# Altium PCB PCB3.PcbDoc (part 1 of 4) (continued)
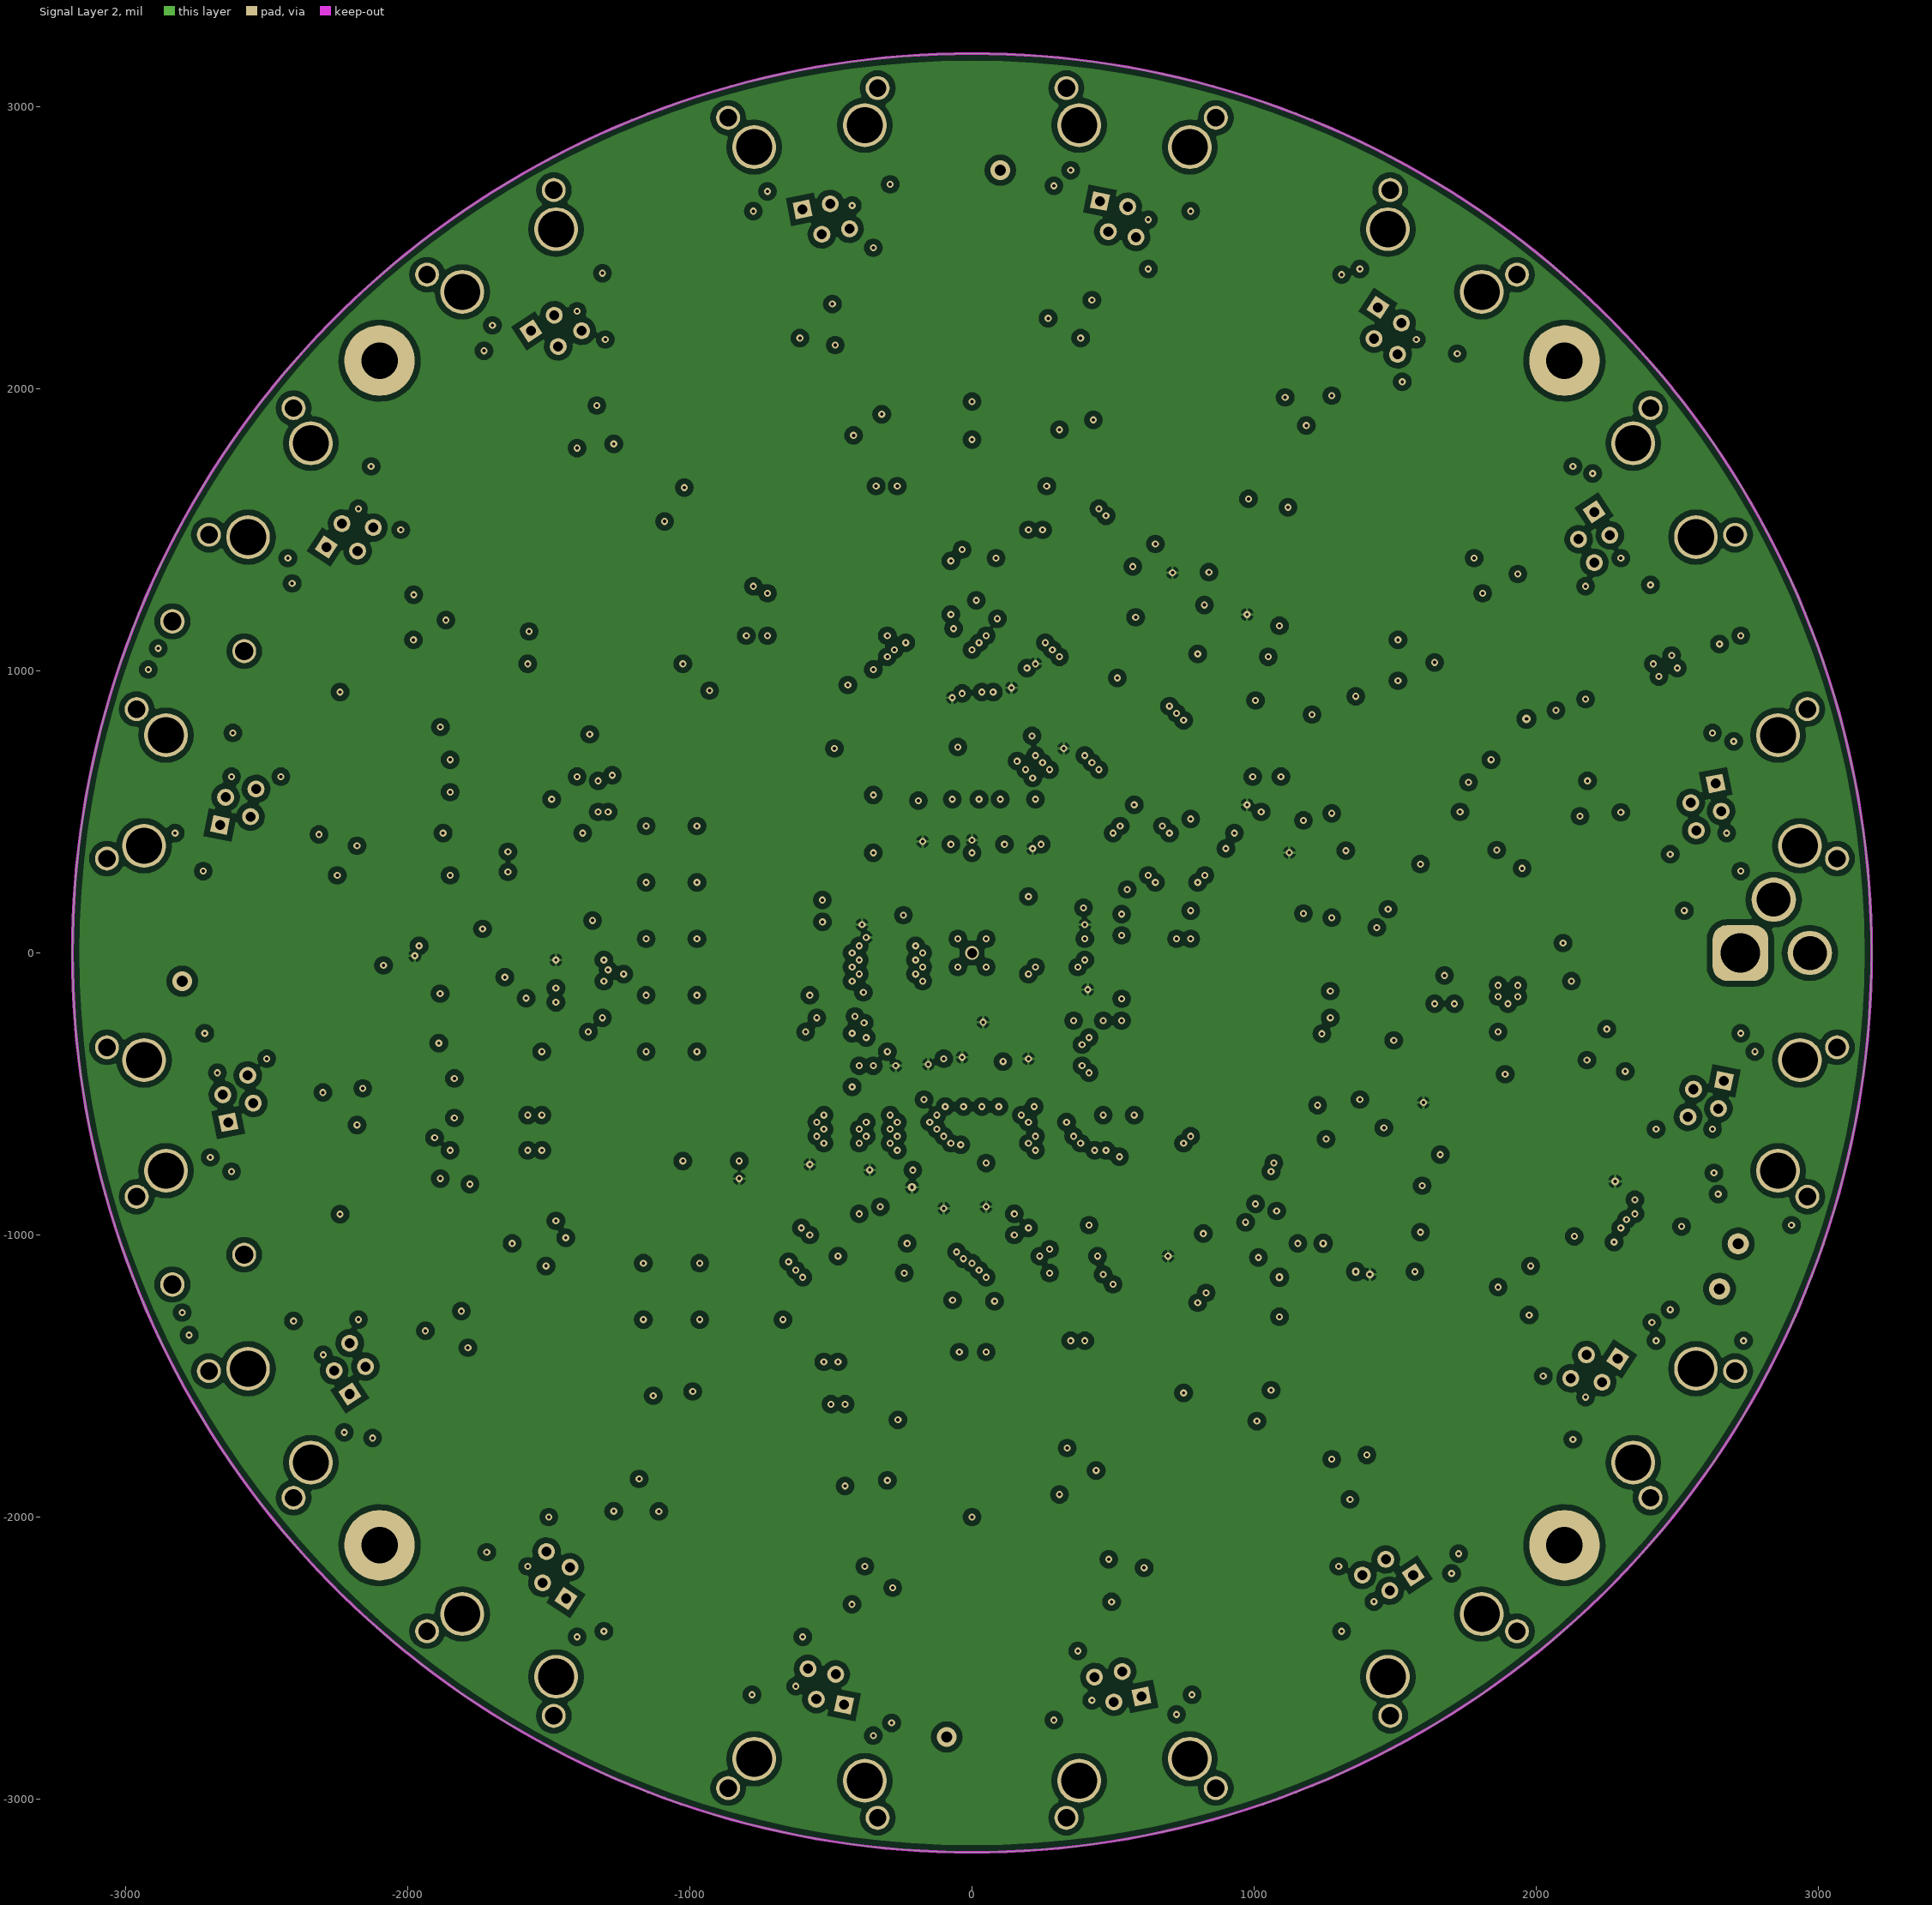
[diagram p3: Signal Layer 2]
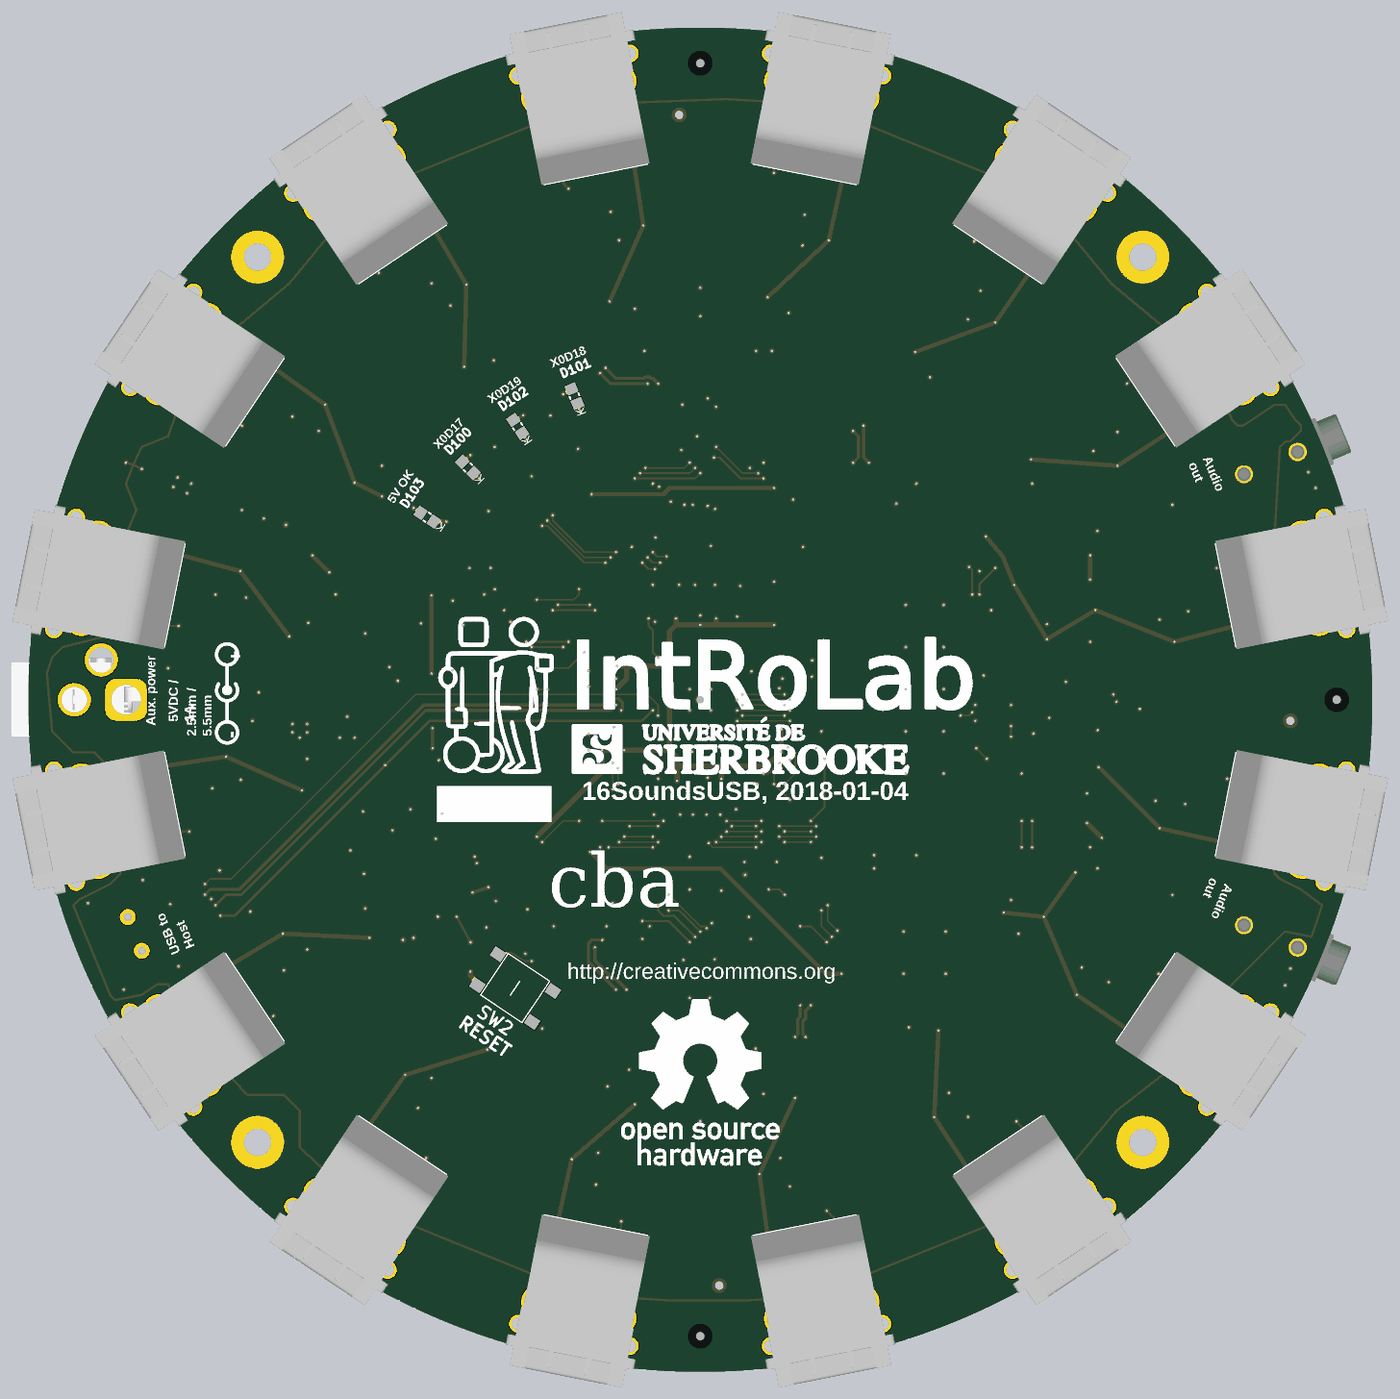
[diagram p7: 3D render of the assembled board from below, using the file's embedded part models]

## Layer stack, top to bottom
Top Solder: solder mask 0.4, Solder Resist, Dk 3.5
Top Layer: signal copper 1.4
Dielectric 1: core 6.8898, FR-4, Dk 4.2
GND Plane: signal copper 1.4169
Dielectric 3: prepreg 44.4882, Dk 4.2
Signal Layer 2: signal copper 1.4169
Dielectric 2: core 6.8898, Dk 4.2
Bottom Layer: signal copper 1.4
Bottom Solder: solder mask 0.4, Solder Resist, Dk 3.5

## Board outline
0,-3188.98 cw(c0,0) -3188.98,0 cw(c0,0) 0,3188.97 cw(c0,0) 3188.98,0 cw(c0,0)

## Design rules (kind name [scope] priority, off if disabled: settings)
Clearance Clearance_1 [All vs InPoly] p1: gap=20
Clearance [All] p2: gap=7
DiffPairsRouting [All] p1: maxlimit=25 minlimit=8 mostfreqgap=10 toplayer_minwidth=8 toplayer_maxwidth=15 toplayer_prefwidth=15 midlayer1_mingap=10 midlayer1_maxgap=10 midlayer1_minwidth=15 midlayer1_maxwidth=15 midlayer1_prefwidth=15 midlayer2_mingap=10 midlayer2_maxgap=10 midlayer2_minwidth=15 midlayer2_maxwidth=15 midlayer2_prefwidth=15 bottomlayer_minwidth=8 bottomlayer_maxwidth=15 bottomlayer_prefwidth=15 maxuncoupledlength=500
HoleSize [All] p1: absolutevalues=TRUE maxlimit=200 minlimit=1 maxpercent=80.000 minpercent=20.000
PolygonConnect [All] p1: connectstyle=Relief reliefconductorwidth=10 reliefentries=4 polygonreliefangle="90 Angle" airgapwidth=10
RoomDefinition XMOS_power [InComponentClass('XMOS_power')] p1: confinementstyle=ConfineIn formatcopy=TRUE lockcomponents=FALSE outline -7703.94,-18478.15 -5703.94,-18478.15 -5703.94,-17478.15 -7703.94,-17478.15
RoomDefinition XMOS1 [InComponentClass('XMOS1')] p2: confinementstyle=ConfineIn formatcopy=TRUE lockcomponents=FALSE outline -7703.94,-18478.15 -5703.94,-18478.15 -5703.94,-17478.15 -7703.94,-17478.15
RoomDefinition TopLevel [InComponentClass('TopLevel')] p3: confinementstyle=ConfineIn formatcopy=TRUE lockcomponents=FALSE outline -7703.94,-18478.15 -5703.94,-18478.15 -5703.94,-17478.15 -7703.94,-17478.15
RoomDefinition Power1 [InComponentClass('Power1')] p4: confinementstyle=ConfineIn formatcopy=TRUE lockcomponents=FALSE outline -7703.94,-18478.15 -5703.94,-18478.15 -5703.94,-17478.15 -7703.94,-17478.15
RoomDefinition OutputConnectors [InComponentClass('OutputConnectors')] p5: confinementstyle=ConfineIn formatcopy=TRUE lockcomponents=FALSE outline -7703.94,-18478.15 -5703.94,-18478.15 -5703.94,-17478.15 -7703.94,-17478.15
RoomDefinition Other1 [InComponentClass('Other1')] p6: confinementstyle=ConfineIn formatcopy=TRUE lockcomponents=FALSE outline -7703.94,-18478.15 -5703.94,-18478.15 -5703.94,-17478.15 -7703.94,-17478.15
RoomDefinition InputAmplifier82 [InComponentClass('InputAmplifier82')] p7: confinementstyle=ConfineIn formatcopy=TRUE lockcomponents=FALSE outline -7703.94,-18478.15 -5703.94,-18478.15 -5703.94,-17478.15 -7703.94,-17478.15
RoomDefinition InputAmplifier81 [InComponentClass('InputAmplifier81')] p8: confinementstyle=ConfineIn formatcopy=TRUE lockcomponents=FALSE outline -7703.94,-18478.15 -5703.94,-18478.15 -5703.94,-17478.15 -7703.94,-17478.15
RoomDefinition InputAmplifier72 [InComponentClass('InputAmplifier72')] p9: confinementstyle=ConfineIn formatcopy=TRUE lockcomponents=FALSE outline -7703.94,-18478.15 -5703.94,-18478.15 -5703.94,-17478.15 -7703.94,-17478.15
RoomDefinition InputAmplifier71 [InComponentClass('InputAmplifier71')] p10: confinementstyle=ConfineIn formatcopy=TRUE lockcomponents=FALSE outline -7703.94,-18478.15 -5703.94,-18478.15 -5703.94,-17478.15 -7703.94,-17478.15
RoomDefinition InputAmplifier62 [InComponentClass('InputAmplifier62')] p11: confinementstyle=ConfineIn formatcopy=TRUE lockcomponents=FALSE outline -7703.94,-18478.15 -5703.94,-18478.15 -5703.94,-17478.15 -7703.94,-17478.15
RoomDefinition InputAmplifier61 [InComponentClass('InputAmplifier61')] p12: confinementstyle=ConfineIn formatcopy=TRUE lockcomponents=FALSE outline -7703.94,-18478.15 -5703.94,-18478.15 -5703.94,-17478.15 -7703.94,-17478.15
RoomDefinition InputAmplifier52 [InComponentClass('InputAmplifier52')] p13: confinementstyle=ConfineIn formatcopy=TRUE lockcomponents=FALSE outline -7703.94,-18478.15 -5703.94,-18478.15 -5703.94,-17478.15 -7703.94,-17478.15
RoomDefinition InputAmplifier51 [InComponentClass('InputAmplifier51')] p14: confinementstyle=ConfineIn formatcopy=TRUE lockcomponents=FALSE outline -7703.94,-18478.15 -5703.94,-18478.15 -5703.94,-17478.15 -7703.94,-17478.15
RoomDefinition InputAmplifier42 [InComponentClass('InputAmplifier42')] p15: confinementstyle=ConfineIn formatcopy=TRUE lockcomponents=FALSE outline -7703.94,-18478.15 -5703.94,-18478.15 -5703.94,-17478.15 -7703.94,-17478.15
RoomDefinition InputAmplifier41 [InComponentClass('InputAmplifier41')] p16: confinementstyle=ConfineIn formatcopy=TRUE lockcomponents=FALSE outline -7703.94,-18478.15 -5703.94,-18478.15 -5703.94,-17478.15 -7703.94,-17478.15
RoomDefinition InputAmplifier32 [InComponentClass('InputAmplifier32')] p17: confinementstyle=ConfineIn formatcopy=TRUE lockcomponents=FALSE outline -7703.94,-18478.15 -5703.94,-18478.15 -5703.94,-17478.15 -7703.94,-17478.15
RoomDefinition InputAmplifier31 [InComponentClass('InputAmplifier31')] p18: confinementstyle=ConfineIn formatcopy=TRUE lockcomponents=FALSE outline -7703.94,-18478.15 -5703.94,-18478.15 -5703.94,-17478.15 -7703.94,-17478.15
RoomDefinition InputAmplifier22 [InComponentClass('InputAmplifier22')] p19: confinementstyle=ConfineIn formatcopy=TRUE lockcomponents=FALSE outline -7703.94,-18478.15 -5703.94,-18478.15 -5703.94,-17478.15 -7703.94,-17478.15
RoomDefinition InputAmplifier21 [InComponentClass('InputAmplifier21')] p20: confinementstyle=ConfineIn formatcopy=TRUE lockcomponents=FALSE outline -7703.94,-18478.15 -5703.94,-18478.15 -5703.94,-17478.15 -7703.94,-17478.15
RoomDefinition InputAmplifier12 [InComponentClass('InputAmplifier12')] p21: confinementstyle=ConfineIn formatcopy=TRUE lockcomponents=FALSE outline -7703.94,-18478.15 -5703.94,-18478.15 -5703.94,-17478.15 -7703.94,-17478.15
RoomDefinition InputAmplifier11 [InComponentClass('InputAmplifier11')] p22: confinementstyle=ConfineIn formatcopy=TRUE lockcomponents=FALSE outline -7703.94,-18478.15 -5703.94,-18478.15 -5703.94,-17478.15 -7703.94,-17478.15
RoomDefinition DAC [InComponentClass('DAC')] p23: confinementstyle=ConfineIn formatcopy=TRUE lockcomponents=FALSE outline -7703.94,-18478.15 -5703.94,-18478.15 -5703.94,-17478.15 -7703.94,-17478.15
RoomDefinition Clock1 [InComponentClass('Clock1')] p24: confinementstyle=ConfineIn formatcopy=TRUE lockcomponents=FALSE outline -7703.94,-18478.15 -5703.94,-18478.15 -5703.94,-17478.15 -7703.94,-17478.15
RoomDefinition ADC2 [InComponentClass('ADC2')] p25: confinementstyle=ConfineIn formatcopy=TRUE lockcomponents=FALSE outline -7703.94,-18478.15 -5703.94,-18478.15 -5703.94,-17478.15 -7703.94,-17478.15
RoomDefinition ADC1 [InComponentClass('ADC1')] p26: confinementstyle=ConfineIn formatcopy=TRUE lockcomponents=FALSE outline -7703.94,-18478.15 -5703.94,-18478.15 -5703.94,-17478.15 -7703.94,-17478.15
RoutingVias [All] p1: holewidth=10 width=25 viastyle="Through Hole" minholewidth=10 minwidth=25 maxholewidth=100 maxwidth=25
SolderMaskExpansion [All] p1: expansion=4
Width [All] p1: maxlimit=100 minlimit=7.87 preferedwidth=10 toplayer_prefwidth=8 midlayer1_minwidth=10 midlayer1_maxwidth=10 midlayer2_minwidth=10 midlayer2_maxwidth=10 bottomlayer_prefwidth=8 minimp=50.000000 maximp=50.000000 favimp=50.000000
28 further rules are at their usual default settings.

## Classes and differential pairs
component class ADC2: C17 C22 C23 C24 C28 C29 C50 C57 C61 C62 C63 C70 R79 R80 R81 R82 R83 U5 U12
component class OutputConnectors: C55 C56 C58 C72 C126 C142 C148 C151 D14 D15 D26 D29 P1 P2 R69 R73 R76 R84 R151 R158 R159 R161
component class DAC: C59 C60 C86 C98 C100 C101 C104 C110 C120 C121 C149 U11 U18
component class InputAmplifier11: C108 C116 C122 C133 C135 C139 C162 D23 D27 MIC5 R120 R124 R126 R129 R131 R134 R138 R140 R143 R148 R150 U21
component class Clock1: C125 C138 R117 R118 R119 U20 U23
component class Other1: D32 D35 D38 D100 D101 D102 P19 Q1 Q2 Q3 R160 R165 R168 R169 R179 R181
component class Power1: C94 C96 C99 C103 C106 C113 C114 C115 C123 C124 C137 C146 C147 C203 D21 D22 D25 D30 D31 D103 J3 L7 L8 L9 L10 Q4 R112 R114 R116 R122 R123 R141 R162 U19 U24
component class XMOS1: C54 D11 D18 J1 J2 J4 L1 R70 R77 R78 R98 R113 R133 R135 R136 R137 R145 TP2 U10 U17
component class ADC1: C141 C143 C144 C145 C152 C158 C175 C176 C177 C178 C179 C180 R153 R154 R155 R156 R157 U25 U26
component class InputAmplifier81: C109 C117 C119 C134 C136 C140 C150 D24 D28 MIC12 P2_InputAmplifier01 R121 R125 R127 R130 R132 R139 R142 R144 R147 R149 R152 U22
component class InputAmplifier71: C155 C156 C157 C163 C164 C166 C170 D34 D37 MIC11 P2_InputAmplifier02 R164 R167 R172 R173 R175 R177 R180 R183 R188 R189 R191 U28
component class InputAmplifier61: C171 C174 C182 C184 C186 C190 C192 D40 D42 MIC10 P2_InputAmplifier03 R186 R193 R195 R197 R201 R205 R207 R209 R216 R218 R221 U30
component class InputAmplifier51: C167 C187 C194 C196 C198 C200 C202 D44 D46 MIC9 P2_InputAmplifier04 R199 R203 R211 R213 R220 R223 R225 R227 R229 R231 R233 U32
component class InputAmplifier31: C169 C173 C181 C183 C185 C189 C191 D39 D41 MIC7 P2_InputAmplifier06 R185 R192 R194 R196 R200 R204 R206 R208 R214 R215 R217 U29
component class InputAmplifier21: C153 C154 C159 C160 C161 C165 C168 D33 D36 MIC6 P2_InputAmplifier07 R163 R166 R170 R171 R174 R176 R178 R182 R184 R187 R190 U27
component class InputAmplifier41: C172 C188 C193 C195 C197 C199 C201 D43 D45 MIC8 P2_InputAmplifier08 R198 R202 R210 R212 R219 R222 R224 R226 R228 R230 R232 U31
component class InputAmplifier82: C46 C66 C71 C81 C84 C87 C89 D16 D19 MIC4 P2_InputAmplifier09 R85 R88 R90 R92 R94 R96 R101 R103 R106 R108 R110 U15
component class InputAmplifier72: C27 C36 C38 C42 C43 C48 C51 D9 D12 MIC3 P2_InputAmplifier010 R43 R45 R46 R51 R53 R55 R57 R59 R61 R64 R67 U6
component class InputAmplifier62: C7 C11 C15 C18 C25 C32 C34 D5 D7 MIC2 P2_InputAmplifier011 R15 R16 R18 R23 R25 R29 R31 R37 R39 R41 R48 U3
component class InputAmplifier52: C1 C3 C5 C9 C13 C20 C39 D1 D3 MIC1 P2_InputAmplifier012 R1 R3 R5 R7 R9 R11 R13 R21 R27 R32 R35 U1
component class InputAmplifier42: C2 C4 C6 C10 C14 C21 C33 D2 D4 MIC16 P2_InputAmplifier013 R2 R4 R6 R8 R10 R12 R14 R22 R28 R33 R36 U2
component class InputAmplifier32: C8 C12 C16 C19 C26 C31 C35 D6 D8 MIC15 P2_InputAmplifier014 R17 R19 R20 R24 R26 R30 R34 R38 R40 R42 R49 U4
component class InputAmplifier22: C30 C37 C40 C44 C45 C49 C52 D10 D13 MIC14 P2_InputAmplifier015 R42_InputAmplifier22 R44 R47 R50 R52 R54 R56 R58 R60 R62 R65 R68 R71_InputAmplifier22 U7
component class InputAmplifier12: C41 C67 C73 C82 C85 C88 C91 D17 D20 MIC13 P2_InputAmplifier016 R86 R89 R93 R95 R97 R99 R102 R105 R107 R109 R111 U16
component class TopLevel: FID1 FID2 FID3 FID4 FID5 FID6 R115 R146 S1 S2 S3 S4 TP1 TP3 TP4 TP5 TP6 TP7 TP8 TP9 TP10 TP11 TP12 TP13 TP14 TP15
component class XMOS_power: C47 C53 C64 C65 C68 C69 C74 C75 C76 C77 C78 C79 C80 C83 C90 C92 C93 C95 C97 C102 C105 C107 C111 C112 C118 C127 C128 C129 C130 C131 C132 C300 C301 L2 L3 L4 L5 L6 R63 R66 R71 R72 R74 R75 R87 R91 R100 R104 R128 R300 SW1 SW2 U8 U9 U14
channel class ADC: ADC1 ADC2 ADC3
channel class AudioInputs_8: AudioInputs_1-8 AudioInputs_9-15 AudioInputs_17-24
channel class InputAmplifier: InputAmplifier01 InputAmplifier02 InputAmplifier03 InputAmplifier04 InputAmplifier05 InputAmplifier06 InputAmplifier07 InputAmplifier08 InputAmplifier09 InputAmplifier010 InputAmplifier011 InputAmplifier012 InputAmplifier013 InputAmplifier014 InputAmplifier015 InputAmplifier016 InputAmplifier017 InputAmplifier018 InputAmplifier019 InputAmplifier020 InputAmplifier021 InputAmplifier022 InputAmplifier023 InputAmplifier024
differential pair IN16: +IN16_P -IN16_N
differential pair IN15: +IN15_P -IN15_N
differential pair IN14: +IN14_P -IN14_N
differential pair IN13: +IN13_P -IN13_N
differential pair IN12: +IN12_P -IN12_N
differential pair IN11: +IN11_P -IN11_N
differential pair IN10: +IN10_P -IN10_N
differential pair IN9: +IN9_P -IN9_N
differential pair IN8: +IN8_P -IN8_N
differential pair IN7: +IN7_P -IN7_N
differential pair IN6: +IN6_P -IN6_N
differential pair IN5: +IN5_P -IN5_N
differential pair IN4: +IN4_P -IN4_N
differential pair IN3: +IN3_P -IN3_N
differential pair IN2: +IN2_P -IN2_N
differential pair IN1: +IN1_P -IN1_N
differential pair USB_D: +USB_D_P -USB_D_N
differential pair USB_DA: +USB_DA_P -USB_DA_N

## Components (designator, comment, footprint, x,y, rotation, side; value= is the part's Value field where it differs from the comment)
C1 "Capacitor_Polarized" CAP_RAD_SMD_DIA157 -218.14,-2378.14 r258.75 top (schematic designator C35)
C2 "Capacitor_Polarized" CAP_RAD_SMD_DIA157 218.14,-2378.14 r281.25 top (schematic designator C32)
C3 "Capacitor" 0603#1 -477.97,-2402.92 r78.75 top (schematic designator C55)
C4 "Capacitor" 0603#1 477.97,-2402.92 r101.25 top (schematic designator C55)
C5 "Capacitor_Polarized" CAP_RAD_SMD_DIA157 -708.54,-2280.59 r258.75 top (schematic designator C32)
C6 "Capacitor_Polarized" CAP_RAD_SMD_DIA157 708.54,-2280.59 r281.25 top (schematic designator C35)
C7 "Capacitor_Polarized" CAP_RAD_SMD_DIA157 -1111.61,-2113.63 r236.25 top (schematic designator C35)
C8 "Capacitor_Polarized" CAP_RAD_SMD_DIA157 1111.61,-2113.63 r303.75 top (schematic designator C32)
C9 "Capacitor" 0603#1 -238.05,-2093.79 r348.75 top (schematic designator C3433)
C10 "Capacitor" 0603#1 238.05,-2093.79 r191.25 top (schematic designator C3432)
C11 "Capacitor" 0603#1 -1361.15,-2037.1 r56.25 top (schematic designator C55)
C12 "Capacitor" 0603#1 1361.15,-2037.1 r123.75 top (schematic designator C55)
C13 "Capacitor" 0603#1 -581.33,-2025.51 r168.75 top (schematic designator C3432)
C14 "Capacitor" 0603#1 581.33,-2025.51 r11.25 top (schematic designator C3433)
C15 "Capacitor_Polarized" CAP_RAD_SMD_DIA157 -1527.35,-1835.85 r236.25 top (schematic designator C32)
C16 "Capacitor_Polarized" CAP_RAD_SMD_DIA157 1527.35,-1835.85 r303.75 top (schematic designator C35)
C17 "Capacitor_Polarized" CAP_RAD_SMD_DIA315 0,-1750 r270 top (schematic designator C20)
C18 "Capacitor" 0603#1 -1021.19,-1843.31 r326.25 top (schematic designator C3433)
C19 "Capacitor" 0603#1 1021.19,-1843.31 r213.75 top (schematic designator C3432)
C20 "Capacitor" 0603#1 -375,-1850 r348.75 top (schematic designator C34)
C21 "Capacitor" 0603#1 370,-1850 r11.25 top (schematic designator C34)
C22 "Capacitor" 0805 225,-1725 r270 top
C23 "Capacitor" 0603#1 300,-1725 r270 top
C24 "Capacitor" 0603#1 375,-1725 r270 top (schematic designator C45)
C25 "Capacitor" 0603#1 -1312.2,-1648.86 r146.25 top (schematic designator C3432)
C26 "Capacitor" 0603#1 1312.2,-1648.86 r33.75 top (schematic designator C3433)
C27 "Capacitor_Polarized" CAP_RAD_SMD_DIA157 -1835.85,-1527.35 r213.75 top (schematic designator C35)
C28 "Capacitor" 0603#1 -300,-1625 r270 top (schematic designator C47)
C29 "Capacitor" 0603#1 -225,-1625 r270 top (schematic designator C21)
C30 "Capacitor_Polarized" CAP_RAD_SMD_DIA157 1835.85,-1527.35 r326.25 top (schematic designator C32)
C31 "Capacitor" 0603#1 1000,-1590 r33.75 top (schematic designator C34)
C32 "Capacitor" 0603#1 -1040,-1570 r326.25 top (schematic designator C34)
C33 "Capacitor" 0603#1 375,-1575 r0 top
C34 "Capacitor" 0603#1 -350,-1450 r0 top (schematic designator C33)
C35 "Capacitor" 0603#1 375,-1450 r0 top (schematic designator C33)
C36 "Capacitor" 0603#1 -2037.1,-1361.15 r33.75 top (schematic designator C55)
C37 "Capacitor" 0603#1 2037.1,-1361.15 r146.25 top (schematic designator C55)
C38 "Capacitor" 0603#1 -1648.86,-1312.2 r303.75 top (schematic designator C3433)
C39 "Capacitor" 0603#1 -500,-1350 r0 top (schematic designator C33)
C40 "Capacitor" 0603#1 1648.86,-1312.2 r236.25 top (schematic designator C3432)
C41 "Capacitor" 0603#1 375,-1325 r0 top (schematic designator C33)
C42 "Capacitor" 0603#1 -350,-1250 r180 top (schematic designator C33)
C43 "Capacitor_Polarized" CAP_RAD_SMD_DIA157 -2113.63,-1111.61 r213.75 top (schematic designator C32)
C44 "Capacitor_Polarized" CAP_RAD_SMD_DIA157 2113.63,-1111.61 r326.25 top (schematic designator C35)
C45 "Capacitor" 0603#1 375,-1200 r0 top (schematic designator C33)
C46 "Capacitor" 0603#1 -500,-1150 r180 top (schematic designator C33)
C47 "Capacitor" 0805 1180.86,-1095.53 r56.25 top (schematic designator C10)
C48 "Capacitor" 0603#1 -1550,-1050 r303.75 top (schematic designator C34)
C49 "Capacitor" 0603#1 1550,-1050 r56.25 top (schematic designator C34)
C50 "Capacitor" 0603#1 375,-1075 r0 top (schematic designator C46)
C51 "Capacitor" 0603#1 -1843.31,-1021.19 r123.75 top (schematic designator C3432)
C52 "Capacitor" 0603#1 1843.31,-1021.19 r56.25 top (schematic designator C3433)
C53 "Capacitor" 0603#1 1300,-975 r236.25 top (schematic designator C82)
C54 "Capacitor" 0805 2200,-975 r157.5 top (schematic designator C14)
C55 "Capacitor_Polarized" CAP_RAD_SMD_DIA157 -1575,-850 r213.75 top (schematic designator C36)
C56 "Capacitor" 0603#1 -2200,-950 r202.5 top (schematic designator C38)
C57 "Capacitor" 0805 500,-950 r180 top (schematic designator C19)
C58 "Capacitor" 0603#1 -2225,-875 r202.5 top (schematic designator C42)
C59 "Capacitor" 0805 -1075,-775 r90 top (schematic designator C27)
C60 "Capacitor" 0805 -775,-775 r90 top (schematic designator C26)
C61 "Capacitor" 0603#1 -250,-800 r90 top (schematic designator C50)
C62 "Capacitor" 0603#1 -175,-800 r90 top (schematic designator C49)
C63 "Capacitor" 0603#1 50,-800 r90 top (schematic designator C48)
C64 "Capacitor" 1206 1000,-750 r56.25 top (schematic designator C12)
C65 "Capacitor" 0603#1 1575,-775 r236.25 top (schematic designator C8)
C66 "Capacitor_Polarized" CAP_RAD_SMD_DIA157 -2280.59,-708.54 r191.25 top (schematic designator C35)
C67 "Capacitor_Polarized" CAP_RAD_SMD_DIA157 2280.59,-708.54 r348.75 top (schematic designator C32)
C68 "Capacitor" 0805 1425,-675 r56.25 top (schematic designator C7)